# Altium PCB ADAPTONE_CARTE_DE_SON_V2.PcbDoc (part 2 of 2) (continued)
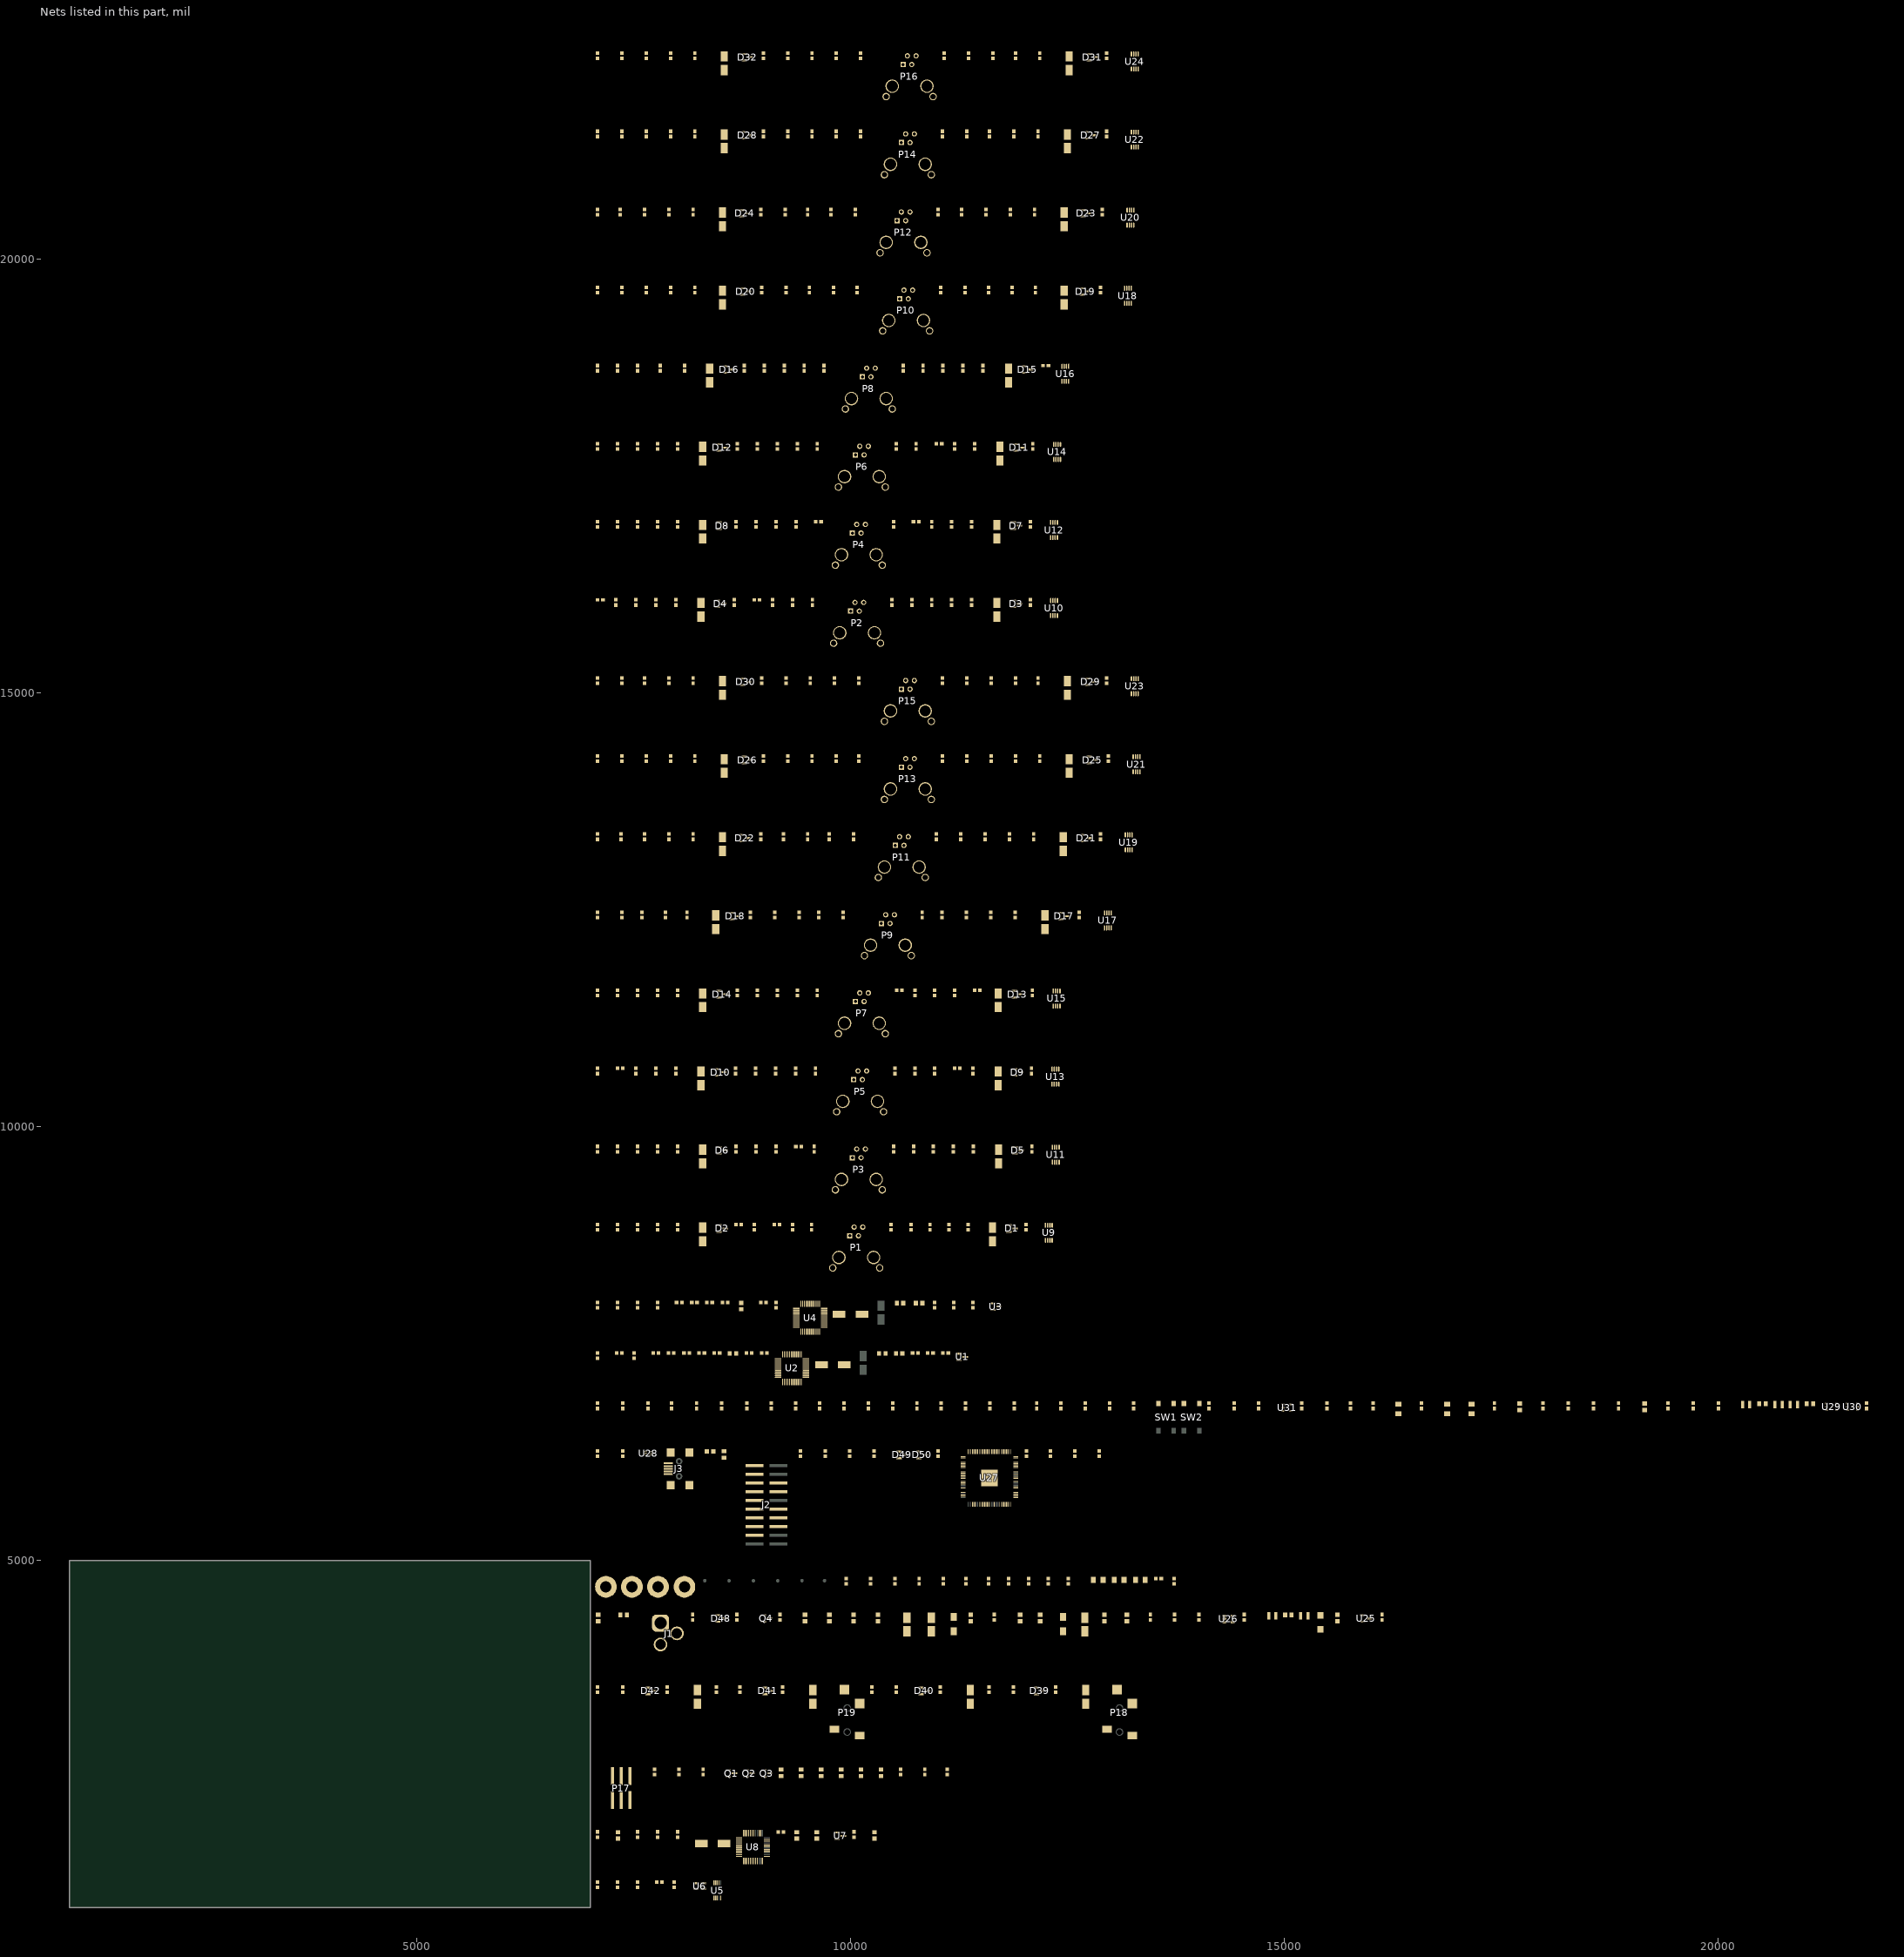
[diagram p2: the nets of this part, all layers, seen from the top]
## Part data
C6 C18 C32 C38 C42 C45 C49 C52 C56 C59 C63 C66 C70 C73 C77 C80 C84 C87 C91 C94 C98 C101 C105 C108 C112 C115 C119 C122 C126 C129 C133 C136 C140 C143 C147 C150 C152 C154 C156 C162 C164 C165: "Capacitor", Mfg=Nichicon, Supplier1=Digikey
  C6 C18 C32: Mfg_PN=UWT1E221MNL1GS, Supplier1_PN=493-2192-1-ND
  C38 C42 C45 C49 C52 C56 C59 C63 C66 C70 C73 C77 C80 C84 C87 C91 C94 C98 C101 C105 C108 C112 C115 C119 C122 C126 C129 C133 C136 C140 C143 C147 C150 C152 C154 C156 C162 C164 C165: Mfg_PN=UWX1C100MCL1GB, Supplier1_PN=493-2100-1-ND
C?1 C?2: library part Capacitor_Polarized_1, "Capacitor", Mfg=Nichicon, Mfg_PN=UWT1E221MNL1GS, Supplier1=Digikey, Supplier1_PN=493-2192-1-ND
D1 D2 D3 D4 D5 D6 D7 D8 D9 D10 D11 D12 D13 D14 D15 D16 D17 D18 D19 D20 D21 D22 D23 D24 D25 D26 D27 D28 D29 D30 D31 D32 D39 D40 D41 D42 D44 D47 D48 D49 D50: "Diode", Supplier1=Digikey
  D1 D2 D3 D4 D5 D6 D7 D8 D9 D10 D11 D12 D13 D14 D15 D16 D17 D18 D19 D20 D21 D22 D23 D24 D25 D26 D27 D28 D29 D30 D31 D32 D39 D40 D41 D42 D48 D49 D50: Mfg=Onsemi, Mfg_PN=BAT54SLT1G, Supplier1_PN=BAT54SLT1GOSCT-ND
  D44 D47: Mfg=Wurth, Mfg_PN=824500500, Supplier1_PN=732-9974-1-ND
D33 D34 D35 D36 D37 D38 D45 D46: "LED"
  D33: Mfg=Wurth, Mfg_PN=150080BS75000, Supplier1=Digikey, Supplier1_PN=732-4982-1-ND, Type=B
  D34 D36 D38: NI=NI, Type=R
  D35: Mfg=Osram, Mfg_PN="LG R971-KN-1", Supplier1=Digikey, Supplier1_PN=475-1410-1-ND, Type=G
  D37: Mfg=Osram, Mfg_PN="LS R976-NR-1", Supplier1=Digikey, Supplier1_PN=475-1278-1-ND, Type=R
  D45: Mfg=Osram, Mfg_PN="LY R976-PS-36", Supplier1=Digikey, Supplier1_PN=475-2560-1-ND, Type=Y
  D46: NI=NI, Type=G
J1: "Power barrel connector, through-hole, 2.5mm ID,", Mfg="Switchcraft Inc.", Mfg_PN=RAPC712X, Supplier1=Digikey, Supplier1_PN=SC237-ND
J2: "20-pins", Mfg="CNC Tech", Mfg_PN=3020-20-0300-00, Supplier1=Digikey, Supplier1_PN=1175-1623-ND
J3: "USB On-The-Go (OTG) Mini-B Receptacle, Right Angle, SMT, 0.80mm (.031\") Pitch, Solder Tabs with Back Cover, Recessed Type", Mfg=EDAC, Mfg_PN=690-005-299-043, Supplier1=Digikey, Supplier1_PN=151-1206-1-ND
L2 L4 L5 L7 L10: Rating=1A, Mfg=Bourns, Mfg_PN=MH2029-101Y, Supplier1=Digikey, Supplier1_PN=MH2029-101YCT-ND
P1 P2 P3 P4 P5 P6 P7 P8 P9 P10 P11 P12 P13 P14 P15 P16: "6p4c RJ11/RJ14, shielded (5555165-2 unshielded)", Mfg=TE, Mfg_PN=5555140-2, Supplier1=Digikey, Supplier1_PN=A31436-ND
P17: "6-pins", Mfg=Harwin, Mfg_PN=3020-06-0300-00, Supplier1=Digikey, Supplier1_PN=3020-06-0300-00-ND
P18 P19: "Audio 3.5mm CUI SJ-3523-SMT-TR", Mfg=CUI, Mfg_PN=SJ-3523-SMT-TR, Supplier1=Digikey, Supplier1_PN=CP-3523SJCT-ND
Q1 Q2 Q3: "BJT NPN", Mfg=NXP, Mfg_PN=MMBT3904,215, Supplier1=Digikey, Supplier1_PN=568-4510-1-ND
Q4: "PMOS", Mfg=NXP, Mfg_PN=PMV48XP,215, Supplier1=Digikey, Supplier1_PN=568-7579-1-ND
S1 S2 S3 S4: "Screw hole", NI=NI
TP1 TP2 TP3 TP4 TP5 TP6 TP7 TP8 TP9 TP10 TP11 TP12 TP13 TP14 TP15: "Test point", Supplier1=Digikey
  TP1 TP2 TP6 TP7 TP8 TP9 TP10 TP11 TP12 TP13 TP14 TP15: Mfg=TE, Mfg_PN=RCU-0C, Supplier1_PN=A106145CT-ND
  TP3 TP4 TP5: Mfg=Harwin, Mfg_PN=S1751-46, Supplier1_PN=952-3024-ND
U1 U3 U7 U25: "Linear voltage regulator", HelpURL=http://ww1.microchip.com/downloads/en/DeviceDoc/20001826C.pdf, Mfg=Microchip, Supplier1=Digikey
  U1 U3 U25: Mfg_PN=MCP1700T-5002E/TT, Supplier1_PN=MCP1700T5002ETTCT-ND
  U7: Mfg_PN=MCP1700T-2502E/TT, Supplier1_PN=MCP1700T-2502E/TTCT-ND
U2 U4: "ADC, 24bit, 8 chan, 192kHz, PCM, TDM, LQFP48", Mfg=Cirrus, Mfg_PN=CS5368-CQZ, Supplier1=Digikey, Supplier1_PN=598-1090-ND
U5: "Fractional-N Clock Multiplier, Crystal Reference, MSOP10", Mfg="Cirrus Logic", Mfg_PN=CS2100-CP-CZZ, Supplier1=Digikey, Supplier1_PN=598-1750-ND
U6: "Oscillator; 1V8 to 3V3", HelpURL=http://www.abracon.com/Oscillators/ASDMB.pdf, Mfg=Abracon, Mfg_PN=ASDMB-24.000MHZ-LC-T, Supplier1=Digikey, Supplier1_PN=535-11728-1-ND, Type=24MHz
U8: "DAC, 24-bit, 8 chan, 192kHz, PCM, TDM, DSD, LQFP48", Mfg=Cirrus, Mfg_PN=CS4384-CQZ, Supplier1=Digikey, Supplier1_PN=598-1062-ND
U9 U10 U11 U12 U13 U14 U15 U16 U17 U18 U19 U20 U21 U22 U23 U24: "Dual amplifier (standard)", Mfg=Microchip, Mfg_PN=MCP6L72T-E/MS, Supplier1=Digikey, Supplier1_PN=MCP6L72T-E/MSCT-ND
U26: "1.6 MHz Boost Converter With 30V Internal FET Switch, 5-pin SOT-23, Pb-Free, 3000 Reel", Mfg=TI, Mfg_PN=LM27313XMF/NOPB, Supplier1=Digikey, Supplier1_PN=LM27313XMF/NOPBCT-ND
U27: library part XMOS_XEF216-512-TQ128, "32-bit multicore microcontroller. 2 Tiles. 16 Logical Cores. 512KB SRAM. 1000MIPS. TQFP128.", Mfg=XMOS, Mfg_PN=XEF216-512-TQ128, Supplier1=Digikey, Supplier1_PN=880-1100-ND
U28: "USB overvoltage protection", HelpURL=http://www.st.com/web/en/resource/technical/document/datasheet/CD00050750.pdf, Mfg=ST, Mfg_PN=USBLC6-2, Supplier1=Digikey, Supplier1_PN=497-5026-2-ND
U29 U30: "DC-DC Buck Converter, 1.5A, 1.5MHz, DFN6", Mfg="ST Microelectronics", Mfg_PN=ST1S06PUR, Supplier1=Digikey, Supplier1_PN=497-5802-1-ND
U31: "Voltage supervisor and power-on timer, dual", Mfg=Micrel, Mfg_PN=MIC2774N-29YM5-TR, Supplier1=Digikey, Supplier1_PN=576-1101-1-ND
C1 C2 C8 C13 C14 C20 C27 C29 C30 C35 C160 C161 C163 C166 C167 C168 C169 C171 C172 C173 C174: Mfg=Samsung, Mfg_PN=CL21A475KAQNNNG, Supplier1=Digikey, Supplier1_PN=1276-6462-1-ND
C3 C4 C5 C7 C9 C10 C11 C12 C15 C16 C17 C19 C21 C22 C23 C24 C25 C26 C28 C31 C33 C34 C36 C37 C41 C44 C48 C51 C55 C58 C62 C65 C69 C72 C76 C79 C83 C86 C90 C93 C97 C100 C104 C107 C111 C114 C118 C121 C125 C128 C132 C135 C139 C142 C146 C149 C175 C177 C180 C181 C182 C183 C184 C185 C186 C187 C188 C189 C190 C191 C192 C193 C194 C195 C196 C197 C198 C199 C200 C201 C202 C203 C204 C205: Mfg=Samsung, Mfg_PN=CL10F104ZO8NNNC, Supplier1=Digikey, Supplier1_PN=1276-1258-1-ND
C39 C43 C46 C50 C53 C57 C60 C64 C67 C71 C74 C78 C81 C85 C88 C92 C95 C99 C102 C106 C109 C113 C116 C120 C123 C127 C130 C134 C137 C141 C144 C148: Mfg=Samsung, Mfg_PN=CL10C471JB8NCNC, Supplier1=Digikey, Supplier1_PN=1276-2302-1-ND, Type=C0G
C40 C47 C54 C61 C68 C75 C82 C89 C96 C103 C110 C117 C124 C131 C138 C145: Mfg=Murata, Mfg_PN=GRM1885C1H222JA01D, Supplier1=Digikey, Supplier1_PN=490-1459-1-ND, Type=C0G
C151 C153 C155 C157: Mfg=Murata, Mfg_PN=GRM1885C1H222JA01D, Supplier1=Digikey, Supplier1_PN=490-1459-1-ND
C158 C159: Mfg=Samsung, Mfg_PN=CL10C471JB8NCNC, Supplier1=Digikey, Supplier1_PN=1276-2302-1-ND
C170: Mfg=Samsung, Mfg_PN=CL10F104ZO8NNNC, NI=NI, Supplier1=Digikey, Supplier1_PN=1276-1258-1-ND
C176 C178 C179: Mfg=Samsung, Mfg_PN=CL31F226ZPHNNNE, Supplier1=Digikey, Supplier1_PN=1276-3296-1-ND
D43: Mfg=Vishay, Mfg_PN=SS14-E3/61T, Supplier1=Digikey, Supplier1_PN=SS14-E3/61TGICT-ND
FID1 FID2 FID3 FID4 FID5 FID6 R13: NI=NI
L1 L3 L8: Mfg=Murata, Mfg_PN=DFE252012F-100M=P2, Supplier1=Digikey, Supplier1_PN=490-13050-1-ND
L6 L9: Mfg=Murata, Mfg_PN=DFE252012F-2R2M=P2, Supplier1=Digikey, Supplier1_PN=490-13055-1-ND
R1 R6 R193 R194 R195 R208 R209 R216 R224 R233 R234: Mfg=Yageo, Mfg_PN=RC0603JR-0710KL, Supplier1=Digikey, Supplier1_PN=311-10KGRCT-ND
R2 R3 R4 R5 R7 R8 R9 R10 R11 R12 R211 R217 R218 R219 R220 R222: Mfg=Yageo, Mfg_PN=RC0603JR-0733RL, Supplier1=Digikey, Supplier1_PN=311-33GRCT-ND
R14 R21 R25 R32 R36 R43 R47 R54 R58 R65 R69 R76 R80 R87 R91 R98 R102 R109 R113 R120 R124 R131 R135 R142 R146 R153 R157 R164 R168 R175 R179 R186 R190 R192 R206 R210 R215: Mfg=Yageo, Mfg_PN=RC0603JR-071KL, Supplier1=Digikey, Supplier1_PN=311-1.0KGRCT-ND
R15 R22 R26 R33 R37 R44 R48 R55 R59 R66 R70 R77 R81 R88 R92 R99 R103 R110 R114 R121 R125 R132 R136 R143 R147 R154 R158 R165 R169 R176 R180 R187 R191: Mfg=Yageo, Mfg_PN=RC0603JR-0791RL, Supplier1=Digikey, Supplier1_PN=311-91GRCT-ND
R16 R17 R20 R23 R27 R28 R31 R34 R38 R39 R42 R45 R49 R50 R53 R56 R60 R61 R64 R67 R71 R72 R75 R78 R82 R83 R86 R89 R93 R94 R97 R100 R104 R105 R108 R111 R115 R116 R119 R122 R126 R127 R130 R133 R137 R138 R141 R144 R148 R149 R152 R155 R159 R160 R163 R166 R170 R171 R174 R177 R181 R182 R185 R188 R197 R199 R201 R203 R227 R231: Mfg=Yageo, Mfg_PN=311-10GRCT-ND, Supplier1=Digikey, Supplier1_PN=311-100KGRCT-ND
R18 R24 R29 R35 R40 R46 R51 R57 R62 R68 R73 R79 R84 R90 R95 R101 R106 R112 R117 R123 R128 R134 R139 R145 R150 R156 R161 R167 R172 R178 R183 R189: Mfg=Yageo, Mfg_PN=RC0603FR-07634RL, Supplier1=Digikey, Supplier1_PN=311-634HRCT-ND
R19 R30 R41 R52 R63 R74 R85 R96 R107 R118 R129 R140 R151 R162 R173 R184: Mfg=Yageo, Mfg_PN=RC0603JR-0710RL, Supplier1=Digikey, Supplier1_PN=311-10GRCT-ND
R196 R198 R200 R202 R204 R223: Mfg=Yageo, Mfg_PN=RC0603JR-07470RL, Supplier1=Digikey, Supplier1_PN=311-470GRCT-ND
R205: Mfg="Bel fuse", Mfg_PN=0ZCK0100FF2E, Supplier1=Digikey, Supplier1_PN=507-1815-1-ND
R207: Mfg=Yageo, Mfg_PN=RC0603JR-0736KL, Supplier1=Digikey, Supplier1_PN=311-36KGRCT-ND
R212: Mfg=Yageo, Mfg_PN=RC0603JR-0733RL, NI=NI, Supplier1=Digikey, Supplier1_PN=311-33GRCT-ND
R213 R214 R226: Mfg=Yageo, Mfg_PN=RC0603JR-074K7L, Supplier1=Digikey, Supplier1_PN=311-4.7KGRCT-ND
R221: Mfg=Yageo, Mfg_PN=RC0603FR-0743R2L, Supplier1=Digikey, Supplier1_PN=311-43.2HRCT-ND
R225 R230: Mfg=Yageo, Mfg_PN=RC0603JR-0718KL, Supplier1=Digikey, Supplier1_PN=311-18KGRCT-ND
R228 R229: Mfg=Yageo, Mfg_PN=RC0603JR-075K6L, Supplier1=Digikey, Supplier1_PN=311-5.6KGRCT-ND
R232: Mfg=Yageo, Mfg_PN=RC0603JR-074R7L, Supplier1=Digikey, Supplier1_PN=311-4.7GRCT-ND
SW1: Mfg=Wurth, Mfg_PN=430152050826, Supplier1=Digikey, Supplier1_PN=732-6993-1-ND
SW2: Mfg=Wurth, Mfg_PN=430152050826, NI=NI, Supplier1=Digikey, Supplier1_PN=732-6993-1-ND

## Nets (pads, with @x,y where several pads share a name; then routed paths per layer and width w, separated by ;. In a path a pad name is that pad's centre, name@x,y a point inside that pad or via, vN(x,y) a via of type N, cw(c..) or ccw(c..) an arc to the next point about the centre after c; other vN are vias at no path point)
+1V0: C180.1 C185.1 C186.1 C187.1 C190.1 C191.1 C194.1 C195.1 C198.1 C199.1 C202.1 C203.1 C204.1 L10.2 R232.1 R233.1 TP14.1 TP14.2 U27.11 U27.16 U27.17 U27.24 U27.36 U27.41 U27.49 U27.56 U27.60 U27.73 U27.80 U27.81 U27.87 U27.101 U27.102 U27.120 U27.126
+3V3: C10.1 C11.1 C12.1 C22.1 C23.1 C24.1 C25.1 C26.1 C29.1 C33.1 C37.1 C178.1 C183.1 C184.1 C188.1 C189.1 C192.1 C193.1 C196.1 C197.1 C200.1 C201.1 C205.1 L8.2 R1.1 R6.1 R190.2 R191.2 R192.2 R213.1 R214.1 R215.1 R216.1 R223.1 R227.1 TP12.1 TP12.2 U2.28 U2.33 U2.35 U2.38 U4.28 U4.33 U4.35 U5.1 U6.1 U6.4 U7.3 U8.18 U8.43 U27.6 U27.14 U27.19 U27.29 U27.42 U27.44 U27.52 U27.67 U27.78 U27.83 U27.92 U27.105 U27.110 U27.111 U31.3 U31.5
+5V_OFFBOARD: C27.1 C28.1 C44.1 C51.1 C58.1 C65.1 C72.1 C79.1 C86.1 C93.1 C100.1 C107.1 C114.1 C121.1 C128.1 C135.1 C142.1 C149.1 C165.+ C169.1 D1.2 D2.2 D3.2 D4.2 D5.2 D6.2 D7.2 D8.2 D9.2 D10.2 D11.2 D12.2 D13.2 D14.2 D15.2 D16.2 D17.2 D18.2 D19.2 D20.2 D21.2 D22.2 D23.2 D24.2 D25.2 D26.2 D27.2 D28.2 D29.2 D30.2 D31.2 D32.2 D39.2 D40.2 D41.2 D42.2 D47.K R19.2 R30.2 R41.2 R52.2 R63.2 R74.2 R85.2 R96.2 R107.2 R118.2 R129.2 R140.2 R151.2 R162.2 R173.2 R184.2 R206.2 TP13.1 TP13.2 U8.32 U9.8 U10.8 U11.8 U12.8 U13.8 U14.8 U15.8 U16.8 U17.8 U18.8 U19.8 U20.8 U21.8 U22.8 U23.8 U24.8 U25.2
+5V_PREREG: C1.1 C13.1 C164.+ C168.1 L3.2 P17.1 R204.1 TP11.1 TP11.2 U1.3 U3.3 U25.3
ADC1_SDOUT1: R2.2 U27.88
ADC1_SDOUT2: R3.2 U27.89
ADC1_SDOUT3: R4.2 U27.62
ADC1_SDOUT4: R5.2 U27.90
ADC1_VQ: C8.1 C9.1 C41.1 C55.1 C69.1 C83.1 C97.1 C111.1 C125.1 C139.1 R17.1 R20.2 R39.1 R42.2 R61.1 R64.2 R83.1 R86.2 R105.1 R108.2 R127.1 R130.2 R149.1 R152.2 R171.1 R174.2 U2.7
ADC2_SDOUT1: R7.2 U27.4
ADC2_SDOUT2: R8.2 U27.5
ADC2_SDOUT3: R9.2 U27.3
ADC2_SDOUT4: R10.2 U27.7
ADC2_VQ: C20.1 C21.1 C48.1 C62.1 C76.1 C90.1 C104.1 C118.1 C132.1 C146.1 R28.1 R31.2 R50.1 R53.2 R72.1 R75.2 R94.1 R97.2 R116.1 R119.2 R138.1 R141.2 R160.1 R163.2 R182.1 R185.2 U4.7
DAC_SDIN1: U8.8 U27.32
DAC_SDIN2: U8.11 U27.91
GND: C1.2 C2.2 C3.2 C4.2 C5.2 C6.- C7.2 C8.2 C9.2 C10.2 C11.2 C12.2 C13.2 C14.2 C15.2 C16.2 C17.2 C18.- C19.2 C20.2 C21.2 C22.2 C23.2 C24.2 C25.2 C26.2 C27.2 C28.2 C29.2 C30.2 C31.2 C32.- C33.2 C34.2 C35.2 C36.2 C37.2 C41.2 C44.2 C48.2 C51.2 C55.2 C58.2 C62.2 C65.2 C69.2 C72.2 C76.2 C79.2 C83.2 C86.2 C90.2 C93.2 C97.2 C100.2 C104.2 C107.2 C111.2 C114.2 C118.2 C121.2 C125.2 C128.2 C132.2 C135.2 C139.2 C142.2 C146.2 C149.2 C151.2 C153.2 C155.2 C157.2 C160.2 C161.2 C162.- C163.2 C164.- C165.- C166.2 C167.2 C168.2 C169.2 C170.2 C171.2 C172.2 C173.2 C174.2 C175.2 C176.2 C177.2 C178.2 C179.2 C180.2 C181.2 C182.2 C183.2 C184.2 C185.2 C186.2 C187.2 C188.2 C189.2 C190.2 C191.2 C192.2 C193.2 C194.2 C195.2 C196.2 C197.2 C198.2 C199.2 C200.2 C201.2 C202.2 C203.2 C204.2 C205.2 D1.1 D2.1 D3.1 D4.1 D5.1 D6.1 D7.1 D8.1 D9.1 D10.1 D11.1 D12.1 D13.1 D14.1 D15.1 D16.1 D17.1 D18.1 D19.1 D20.1 D21.1 D22.1 D23.1 D24.1 D25.1 D26.1 D27.1 D28.1 D29.1 D30.1 D31.1 D32.1 D39.1 D40.1 D41.1 D42.1 D44.A D45.K D46.K D47.A D48.1 J1.2 J2.4 J2.8 J2.12 J2.16 J2.20 J3.5 J3.MH1 J3.MH2 J3.MH3 J3.MH4 P1.3 P1.M P2.3 P2.M P3.3 P3.M P4.3 P4.M P5.3 P5.M P6.3 P6.M P7.3 P7.M P8.3 P8.M P9.3 P9.M P10.3 P10.M P11.3 P11.M P12.3 P12.M P13.3 P13.M P14.3 P14.M P15.3 P15.M P16.3 P16.M P17.2 P17.6 P18.1 P19.1 Q1.S Q2.S Q3.S R16.1 R23.1 R27.1 R34.1 R38.1 R45.1 R49.1 R56.1 R60.1 R67.1 R71.1 R78.1 R82.1 R89.1 R93.1 R100.1 R104.1 R111.1 R115.1 R122.1 R126.1 R133.1 R137.1 R144.1 R148.1 R155.1 R159.1 R166.1 R170.1 R177.1 R181.1 R188.1 R197.1 R199.1 R201.1 R203.1 R208.2 R221.1 R228.2 R229.2 R230.2 R231.2 R234.2 S1.1 S2.1 S3.1 S4.1 SW1.2 SW2.2 TP3.1 TP3.2 TP4.1 TP4.2 TP5.1 TP5.2 U1.1 U2.3 U2.5 U2.8 U2.10 U2.19 U2.21 U2.22 U2.29 U2.32 U2.34 U2.37 U2.42 U3.1 U4.3 U4.5 U4.8 U4.10 U4.19 U4.21 U4.22 U4.29 U4.32 U4.34 U4.37 U4.38 U4.42 U5.2 U5.8 U6.2 U7.1 U8.1 U8.2 U8.3 U8.5 U8.10 U8.12 U8.17 U8.31 U8.42 U8.44 U8.45 U8.46 U8.47 U8.48 U9.4 U10.4 U11.4 U12.4 U13.4 U14.4 U15.4 U16.4 U17.4 U18.4 U19.4 U20.4 U21.4 U22.4 U23.4 U24.4 U25.1 U26.2 U27.104 U27.129 U28.2 U29.2 U29.PAD U30.2 U30.PAD U31.2
I2C_SCL: P17.3 R214.2 TP1.1 TP1.2 U2.39 U4.39 U5.9 U8.15 U27.37
I2C_SDA: P17.4 R213.2 TP2.1 TP2.2 U2.40 U4.40 U5.10 U8.16 U27.38
IN1_N: C40.2 R22.2 R24.2 U2.16
IN1_P: C40.1 R15.2 R18.2 U2.15
IN2_N: C54.2 R44.2 R46.2 U2.18
IN2_P: C54.1 R37.2 R40.2 U2.17
IN3_N: C68.2 R66.2 R68.2 U2.14
IN3_P: C68.1 R59.2 R62.2 U2.13
IN4_N: C82.2 R88.2 R90.2 U2.12
IN4_P: C82.1 R81.2 R84.2 U2.11
IN5_N: C96.2 R110.2 R112.2 U2.48
IN5_P: C96.1 R103.2 R106.2 U2.47
IN6_N: C110.2 R132.2 R134.2 U2.2
IN6_P: C110.1 R125.2 R128.2 U2.1
IN7_N: C124.2 R154.2 R156.2 U2.46
IN7_P: C124.1 R147.2 R150.2 U2.45
IN8_N: C138.2 R176.2 R178.2 U2.44
IN8_P: C138.1 R169.2 R172.2 U2.43
IN9_N: C47.2 R33.2 R35.2 U4.16
IN9_P: C47.1 R26.2 R29.2 U4.15
IN10_N: C61.2 R55.2 R57.2 U4.18
IN10_P: C61.1 R48.2 R51.2 U4.17
IN11_N: C75.2 R77.2 R79.2 U4.14
IN11_P: C75.1 R70.2 R73.2 U4.13
IN12_N: C89.2 R99.2 R101.2 U4.12
IN12_P: C89.1 R92.2 R95.2 U4.11
IN13_N: C103.2 R121.2 R123.2 U4.48
IN13_P: C103.1 R114.2 R117.2 U4.47
IN14_N: C117.2 R143.2 R145.2 U4.2
IN14_P: C117.1 R136.2 R139.2 U4.1
IN15_N: C131.2 R165.2 R167.2 U4.46
IN15_P: C131.1 R158.2 R161.2 U4.45
IN16_N: C145.2 R187.2 R189.2 U4.44
IN16_P: C145.1 R180.2 R183.2 U4.43
LRCLK: R217.1 TP9.1 TP9.2 U2.24 U4.24 U8.7
MCLK_AUDIO: R211.1 R212.2 TP7.1 TP7.2 U2.23 U4.23 U8.6
MCLK_XCORE: R12.2 R211.2 U27.13 U27.63
NetC2_1: C2.1 C3.1 C4.1 C5.1 U1.2 U2.4 U2.9 U2.20
NetC6_+: C6.+ C7.1 U2.6
NetC14_1: C14.1 C15.1 C16.1 C17.1 U3.2 U4.4 U4.9 U4.20
NetC18_+: C18.+ C19.1 U4.6
NetC30_1: C30.1 C31.1 U7.2 U8.4
NetC32_+: C32.+ C36.1 U8.20
NetC34_1: C34.1 C35.1 U8.21
NetC38_+: C38.+ D1.3 R17.2 U9.3
NetC38_-: C38.- R14.2 R16.2
NetC39_1: C39.1 R18.1 U9.2
NetC39_2: C39.2 R15.1 U9.1
NetC42_+: C42.+ D2.3 R20.1 U9.5
NetC42_-: C42.- R21.2 R23.2
NetC43_1: C43.1 R24.1 U9.6
NetC43_2: C43.2 R22.1 U9.7
NetC45_+: C45.+ D3.3 R28.2 U10.3
NetC45_-: C45.- R25.2 R27.2
NetC46_1: C46.1 R29.1 U10.2
NetC46_2: C46.2 R26.1 U10.1
NetC49_+: C49.+ D4.3 R31.1 U10.5
NetC49_-: C49.- R32.2 R34.2
NetC50_1: C50.1 R35.1 U10.6
NetC50_2: C50.2 R33.1 U10.7
NetC52_+: C52.+ D5.3 R39.2 U11.3
NetC52_-: C52.- R36.2 R38.2
NetC53_1: C53.1 R40.1 U11.2
NetC53_2: C53.2 R37.1 U11.1
NetC56_+: C56.+ D6.3 R42.1 U11.5
NetC56_-: C56.- R43.2 R45.2
NetC57_1: C57.1 R46.1 U11.6
NetC57_2: C57.2 R44.1 U11.7
NetC59_+: C59.+ D7.3 R50.2 U12.3
NetC59_-: C59.- R47.2 R49.2
NetC60_1: C60.1 R51.1 U12.2
NetC60_2: C60.2 R48.1 U12.1
NetC63_+: C63.+ D8.3 R53.1 U12.5
NetC63_-: C63.- R54.2 R56.2
NetC64_1: C64.1 R57.1 U12.6
NetC64_2: C64.2 R55.1 U12.7
NetC66_+: C66.+ D9.3 R61.2 U13.3
NetC66_-: C66.- R58.2 R60.2
NetC67_1: C67.1 R62.1 U13.2
NetC67_2: C67.2 R59.1 U13.1
NetC70_+: C70.+ D10.3 R64.1 U13.5
NetC70_-: C70.- R65.2 R67.2
NetC71_1: C71.1 R68.1 U13.6
NetC71_2: C71.2 R66.1 U13.7
NetC73_+: C73.+ D11.3 R72.2 U14.3
NetC73_-: C73.- R69.2 R71.2
NetC74_1: C74.1 R73.1 U14.2
NetC74_2: C74.2 R70.1 U14.1
NetC77_+: C77.+ D12.3 R75.1 U14.5
NetC77_-: C77.- R76.2 R78.2
NetC78_1: C78.1 R79.1 U14.6
NetC78_2: C78.2 R77.1 U14.7
NetC80_+: C80.+ D13.3 R83.2 U15.3
NetC80_-: C80.- R80.2 R82.2
NetC81_1: C81.1 R84.1 U15.2
NetC81_2: C81.2 R81.1 U15.1
NetC84_+: C84.+ D14.3 R86.1 U15.5
NetC84_-: C84.- R87.2 R89.2
NetC85_1: C85.1 R90.1 U15.6
NetC85_2: C85.2 R88.1 U15.7
NetC87_+: C87.+ D15.3 R94.2 U16.3
NetC87_-: C87.- R91.2 R93.2
NetC88_1: C88.1 R95.1 U16.2
NetC88_2: C88.2 R92.1 U16.1
NetC91_+: C91.+ D16.3 R97.1 U16.5
NetC91_-: C91.- R98.2 R100.2
NetC92_1: C92.1 R101.1 U16.6
NetC92_2: C92.2 R99.1 U16.7
NetC94_+: C94.+ D17.3 R105.2 U17.3
NetC94_-: C94.- R102.2 R104.2
NetC95_1: C95.1 R106.1 U17.2
NetC95_2: C95.2 R103.1 U17.1
NetC98_+: C98.+ D18.3 R108.1 U17.5
NetC98_-: C98.- R109.2 R111.2
NetC99_1: C99.1 R112.1 U17.6
NetC99_2: C99.2 R110.1 U17.7
NetC101_+: C101.+ D19.3 R116.2 U18.3
NetC101_-: C101.- R113.2 R115.2
NetC102_1: C102.1 R117.1 U18.2
NetC102_2: C102.2 R114.1 U18.1
NetC105_+: C105.+ D20.3 R119.1 U18.5
NetC105_-: C105.- R120.2 R122.2
NetC106_1: C106.1 R123.1 U18.6
NetC106_2: C106.2 R121.1 U18.7
NetC108_+: C108.+ D21.3 R127.2 U19.3
NetC108_-: C108.- R124.2 R126.2
NetC109_1: C109.1 R128.1 U19.2
NetC109_2: C109.2 R125.1 U19.1
NetC112_+: C112.+ D22.3 R130.1 U19.5
NetC112_-: C112.- R131.2 R133.2
NetC113_1: C113.1 R134.1 U19.6
NetC113_2: C113.2 R132.1 U19.7
NetC115_+: C115.+ D23.3 R138.2 U20.3
NetC115_-: C115.- R135.2 R137.2
NetC116_1: C116.1 R139.1 U20.2
NetC116_2: C116.2 R136.1 U20.1
NetC119_+: C119.+ D24.3 R141.1 U20.5
NetC119_-: C119.- R142.2 R144.2
NetC120_1: C120.1 R145.1 U20.6
NetC120_2: C120.2 R143.1 U20.7
NetC122_+: C122.+ D25.3 R149.2 U21.3
NetC122_-: C122.- R146.2 R148.2
NetC123_1: C123.1 R150.1 U21.2
NetC123_2: C123.2 R147.1 U21.1
NetC126_+: C126.+ D26.3 R152.1 U21.5
NetC126_-: C126.- R153.2 R155.2
NetC127_1: C127.1 R156.1 U21.6
NetC127_2: C127.2 R154.1 U21.7
NetC129_+: C129.+ D27.3 R160.2 U22.3
NetC129_-: C129.- R157.2 R159.2
NetC130_1: C130.1 R161.1 U22.2
NetC130_2: C130.2 R158.1 U22.1
NetC133_+: C133.+ D28.3 R163.1 U22.5
NetC133_-: C133.- R164.2 R166.2
NetC134_1: C134.1 R167.1 U22.6
NetC134_2: C134.2 R165.1 U22.7
NetC136_+: C136.+ D29.3 R171.2 U23.3
NetC136_-: C136.- R168.2 R170.2
NetC137_1: C137.1 R172.1 U23.2
NetC137_2: C137.2 R169.1 U23.1
NetC140_+: C140.+ D30.3 R174.1 U23.5
NetC140_-: C140.- R175.2 R177.2
NetC141_1: C141.1 R178.1 U23.6
NetC141_2: C141.2 R176.1 U23.7
NetC143_+: C143.+ D31.3 R182.2 U24.3
NetC143_-: C143.- R179.2 R181.2
NetC144_1: C144.1 R183.1 U24.2
NetC144_2: C144.2 R180.1 U24.1
NetC147_+: C147.+ D32.3 R185.1 U24.5
NetC147_-: C147.- R186.2 R188.2
NetC148_1: C148.1 R189.1 U24.6
NetC148_2: C148.2 R187.1 U24.7
NetC150_+: C150.+ D39.3 U8.39
NetC150_-: C150.- R196.1 R197.2
NetC151_1: C151.1 P18.2 P18.4 R196.2
NetC152_+: C152.+ D40.3 U8.38
NetC152_-: C152.- R198.1 R199.2
NetC153_1: C153.1 P18.3 R198.2
NetC154_+: C154.+ D41.3 U8.35
NetC154_-: C154.- R200.1 R201.2
NetC155_1: C155.1 P19.2 P19.4 R200.2
NetC156_+: C156.+ D42.3 U8.34
NetC156_-: C156.- R202.1 R203.2
NetC157_1: C157.1 P19.3 R202.2
NetC158_1: C158.1 R207.1 R208.1 U26.3
NetC158_2: C158.2 C159.1
NetC159_2: C159.2 C166.1 C170.1 D43.K L2.1 R207.2
NetC167_1: C167.1 L2.2 L3.1 R204.2
NetC175_1: C175.1 R224.2 R228.1 U29.6
NetC176_1: C176.1 L6.2 L7.1 R225.1
NetC177_1: C177.1 L7.2 L8.1 R223.2
NetC179_1: C179.1 L9.2 L10.1 R226.1
NetC181_1: C181.1 R227.2 R231.1 U30.6
NetC182_1: C182.1 R232.2 U27.103
NetD33_A: D33.A D34.A R190.1
NetD33_K: D33.K D34.K Q1.D
NetD35_A: D35.A D36.A R191.1
NetD35_K: D35.K D36.K Q2.D
NetD37_A: D37.A D38.A R192.1
NetD37_K: D37.K D38.K Q3.D
NetD43_A: D43.A L1.2 U26.1
NetD45_A: D45.A D46.A R206.1
NetD48_3: D48.3 Q4.G R209.1 R210.2
NetD49_1: D49.1 D50.1 R216.2 TP15.1 TP15.2 U27.123 U27.124
NetD50_2: D50.2 D50.3 SW1.1 SW2.1 U31.1
NetJ1_1: J1.1 L4.1
NetJ1_3: J1.3 R210.1
NetJ3_1: J3.1 L5.2
NetJ3_4: J3.4 R222.1
NetL6_1: L6.1 U29.3
NetL9_1: L9.1 U30.3
NetP1_1: P1.1 R19.1
NetP1_2: P1.2 R21.1
NetP1_4: P1.4 R14.1
NetP2_1: P2.1 R30.1
NetP2_2: P2.2 R32.1
NetP2_4: P2.4 R25.1
NetP3_1: P3.1 R41.1
NetP3_2: P3.2 R43.1
NetP3_4: P3.4 R36.1
NetP4_1: P4.1 R52.1
NetP4_2: P4.2 R54.1
NetP4_4: P4.4 R47.1
NetP5_1: P5.1 R63.1
NetP5_2: P5.2 R65.1
NetP5_4: P5.4 R58.1
NetP6_1: P6.1 R74.1
NetP6_2: P6.2 R76.1
NetP6_4: P6.4 R69.1
NetP7_1: P7.1 R85.1
NetP7_2: P7.2 R87.1
NetP7_4: P7.4 R80.1
NetP8_1: P8.1 R96.1
NetP8_2: P8.2 R98.1
NetP8_4: P8.4 R91.1
NetP9_1: P9.1 R107.1
NetP9_2: P9.2 R109.1
NetP9_4: P9.4 R102.1
NetP10_1: P10.1 R118.1
NetP10_2: P10.2 R120.1
NetP10_4: P10.4 R113.1
NetP11_1: P11.1 R129.1
NetP11_2: P11.2 R131.1
NetP11_4: P11.4 R124.1
NetP12_1: P12.1 R140.1
NetP12_2: P12.2 R142.1
NetP12_4: P12.4 R135.1
NetP13_1: P13.1 R151.1
NetP13_2: P13.2 R153.1
NetP13_4: P13.4 R146.1
NetP14_1: P14.1 R162.1
NetP14_2: P14.2 R164.1
NetP14_4: P14.4 R157.1
NetP15_1: P15.1 R173.1
NetP15_2: P15.2 R175.1
NetP15_4: P15.4 R168.1
NetP16_1: P16.1 R184.1
NetP16_2: P16.2 R186.1
NetP16_4: P16.4 R179.1
NetP17_5: P17.5 U27.122
NetQ1_G: Q1.G R193.2
NetQ2_G: Q2.G R194.2
NetQ3_G: Q3.G R195.2
NetR1_2: R1.2 R6.2 TP10.1 TP10.2 U2.36 U4.36 U27.96
NetR2_1: R2.1 U2.30
NetR3_1: R3.1 U2.27
NetR4_1: R4.1 U2.31
NetR5_1: R5.1 U2.26
NetR7_1: R7.1 U4.30
NetR8_1: R8.1 U4.27
NetR9_1: R9.1 U4.31
NetR10_1: R10.1 U4.26
NetR11_1: R11.1 R13.1 U5.7 U6.3
NetR11_2: R11.2 U27.125
NetR12_1: R12.1 R13.2 U5.3
NetR193_1: R193.1 U27.69
NetR194_1: R194.1 U27.70
NetR195_1: R195.1 U27.71
NetR212_1: R212.1 U27.93
NetR215_2: R215.2 U27.27
NetR217_2: R217.2 U27.64
NetR218_2: R218.2 U27.66
NetR219_2: R219.2 U27.10
NetR220_2: R220.2 U27.12
NetR221_2: R221.2 U27.48
NetR222_2: R222.2 U27.43
NetR225_2: R225.2 R229.1 U29.1
NetR226_2: R226.2 R230.1 U30.1
NetR233_2: R233.2 R234.1 U31.4
NetTP6_1: TP6.1 TP6.2 U2.41 U4.41 U27.95
NetU5_5: U5.5 U27.30
NetU8_13: U8.13
NetU8_14: U8.14
NetU8_19: U8.19 U27.94
NetU8_24: U8.24
NetU8_25: U8.25
NetU8_28: U8.28
NetU8_29: U8.29
NetU27_15: U27.15
NetU27_18: U27.18
NetU27_20: U27.20
NetU27_21: U27.21
NetU27_57: U27.57
NetU27_58: U27.58
NetU27_59: U27.59
NetU27_61: U27.61
NetU27_68: U27.68
NetU27_72: U27.72
NetU27_74: U27.74
NetU27_85: U27.85
NetU27_86: U27.86
NetU27_97: U27.97
NetU27_98: U27.98
NetU27_99: U27.99
NetU27_100: U27.100
NetU27_106: U27.106
NetU27_107: U27.107
NetU27_108: U27.108
NetU27_109: U27.109
NetU27_112: U27.112
NetU27_113: U27.113
NetU27_114: U27.114
NetU27_115: U27.115
NetU27_116: U27.116
NetU27_117: U27.117
NetU27_118: U27.118
NetU27_119: U27.119
NetU27_121: U27.121
SCLK: R218.1 TP8.1 TP8.2 U2.25 U4.25 U8.9
TCK: J2.9 U27.128
TDI: J2.5 U27.2
TDO: J2.13 U27.1
TMS: J2.7 U27.127
USB_D_N: U27.47 U28.3
USB_D_P: U27.46 U28.1
USB_Da_N: J3.2 U28.4
USB_Da_P: J3.3 U28.6
VIN: C160.1 C161.1 C162.+ C163.1 C173.1 C174.1 D44.K L1.1 R205.2 R224.1 U26.4 U26.5 U29.4 U29.5 U30.4 U30.5
VIN_CONN: C171.1 L4.2 Q4.S R205.1
VUSB: C172.1 D48.2 L5.1 Q4.D R209.2 U27.45 U28.5
XL_DN0: J2.14 U27.9
XL_DN1: J2.18 U27.8
XL_UP0: J2.10 R219.1
XL_UP1: J2.6 R220.1
XSYS_RST_N: D49.2 D49.3 J2.15
pads on no net: C?1.+ C?1.- C?2.+ C?2.- FID1.0 FID2.0 FID3.0 FID4.0 FID5.0 FID6.0 J2.1 J2.2 J2.3 J2.11 J2.17 J2.19 J3. P18. P19. SW1.3 SW1.4 SW2.3 SW2.4 U5.4 U5.6 U8.22 U8.23 U8.26 U8.27 U8.30 U8.33 U8.36 U8.37 U8.40 U8.41 U27.22 U27.23 U27.25 U27.26 U27.28 U27.31 U27.33 U27.34 U27.35 U27.39 U27.40 U27.50 U27.51 U27.53 U27.54 U27.55 U27.65 U27.75 U27.76 U27.77 U27.79 U27.82 U27.84

## Text inside footprints (layer, text, board x,y; h text height)
D33: Top Overlay "K" at 9219.68,2447.64 h40 r90
D34: Top Overlay "K" at 9449.68,2447.64 h40 r90
D35: Top Overlay "K" at 9679.68,2447.64 h40 r90
D36: Top Overlay "K" at 9909.68,2447.64 h40 r90
D37: Top Overlay "K" at 10139.68,2447.64 h40 r90
D38: Top Overlay "K" at 10369.68,2447.64 h40 r90
D45: Top Overlay "K" at 11974.68,4232.64 h40 r90
D46: Top Overlay "K" at 12204.68,4232.64 h40 r90
J2: Top Overlay "1" at 9330,5140 h70 r90
P17: Top Overlay "1" at 7205,2075 h70